# KiCad board V1.1_version_control.kicad_pcb (continued)
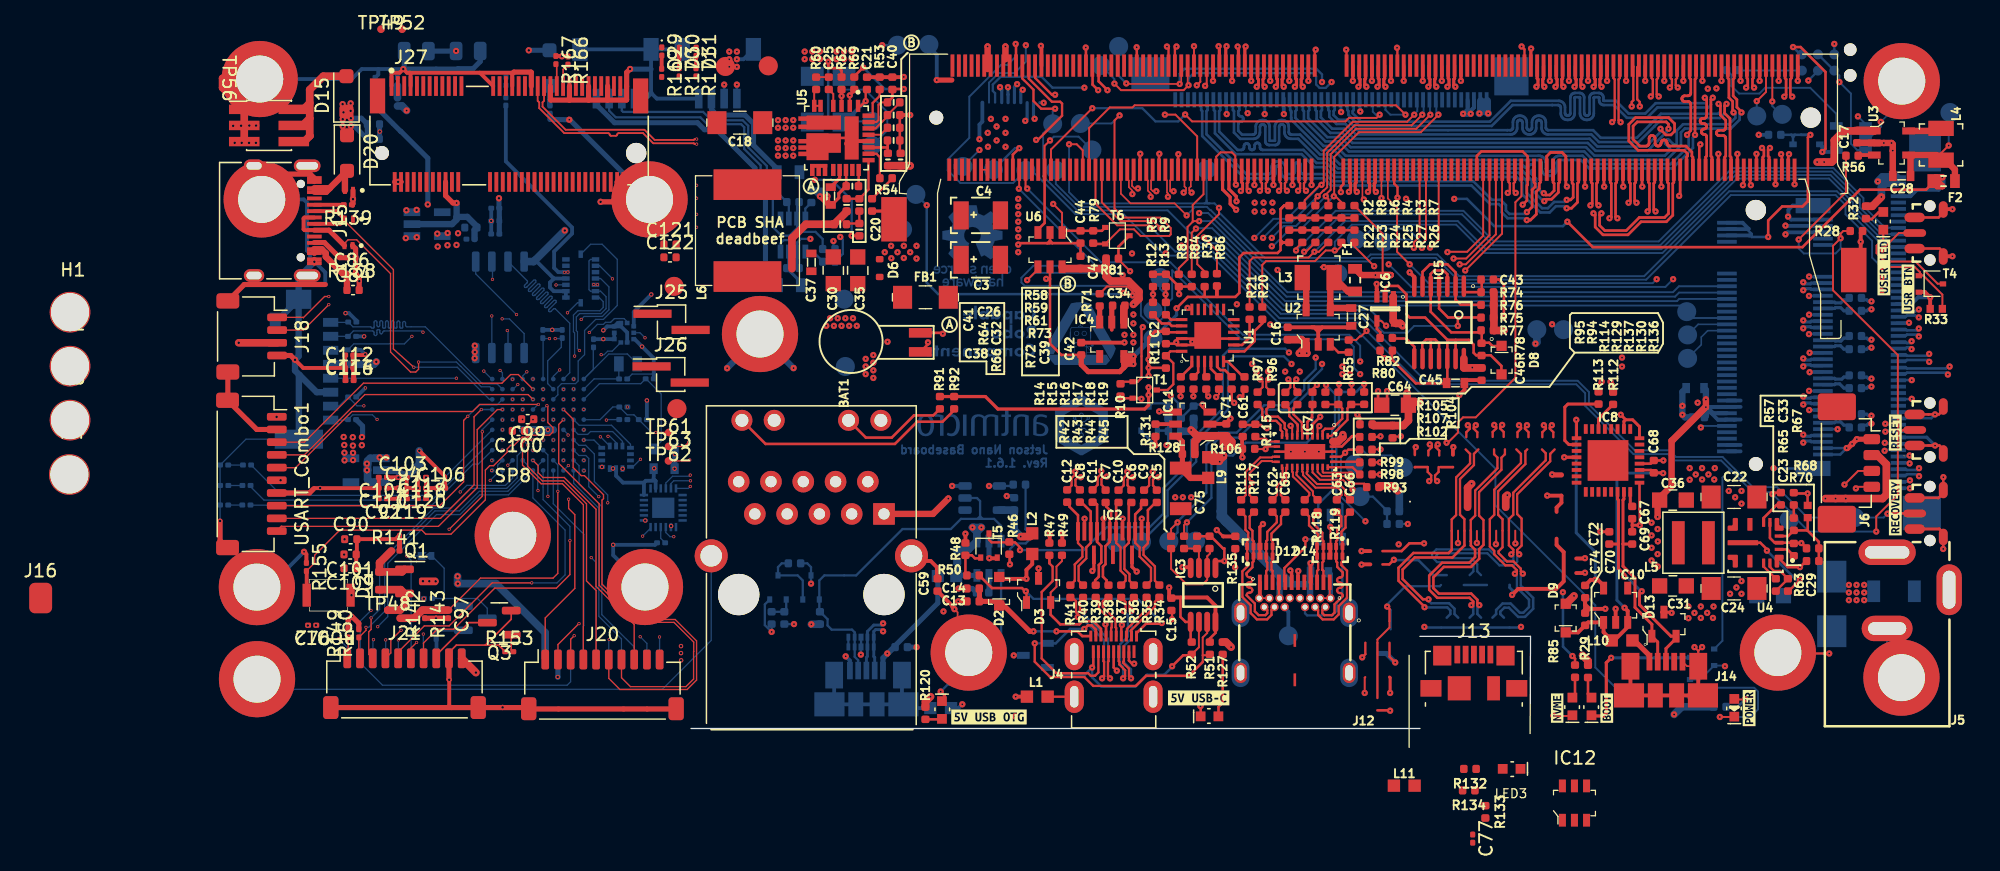
[diagram p0: board, top side]
## Routing (per net, layer and track width the routed paths; a pad name or vN(x,y) marks a point on that pad's centre or on a via; arc(x,y) is an arc through that point) (continued)
unconnected-(M1E-DP0_TXD2_N-Pad51): length 40.9
  Top w0.18: v1(65.77,25.37) 65.61,25.21 65.61,25.1 65.88,24.82 65.88,24.43 ; v1(74.64,50.48) 74.64,50.83 74.44,51.03 74.44,53.56 74.57,53.69
  In2.Cu w0.125: v1(65.77,25.37) 65.58,25.56 65.58,26.26 68.44,29.12 68.44,31.12 68.43,31.21 68.4,31.29 68.35,31.37 68.29,31.43 68.22,31.48 68.13,31.5 68.04,31.51 67.89,31.51 67.86,31.52 67.82,31.53 67.79,31.55 67.76,31.58 67.74,31.61 67.73,31.65 67.72,31.68 67.72,31.69 67.73,31.73 67.74,31.77 67.76,31.8 67.79,31.83 67.82,31.85 67.86,31.86 67.89,31.86 68.04,31.86 68.13,31.87 68.22,31.9 68.29,31.95 68.35,32.01 68.4,32.09 68.43,32.17 68.44,32.26 68.44,33.95 68.43,34.03 68.4,34.11 68.36,34.18 68.3,34.24 68.23,34.29 68.15,34.31 68.06,34.32 67.91,34.32 67.88,34.33 67.85,34.34 67.82,34.36 67.8,34.38 67.78,34.41 67.77,34.44 67.76,34.47 67.76,34.52 67.77,34.56 67.78,34.59 67.8,34.62 67.82,34.64 67.85,34.66 67.88,34.67 67.91,34.67 68.06,34.67 68.15,34.68 68.23,34.71 68.3,34.76 68.36,34.82 68.4,34.89 68.43,34.97 68.44,35.05 68.44,35.15 68.43,35.23 68.4,35.31 68.36,35.38 68.3,35.44 68.23,35.49 68.15,35.51 68.06,35.52 67.91,35.52 67.88,35.53 67.85,35.54 67.82,35.56 67.8,35.58 67.78,35.61 67.77,35.64 67.76,35.67 67.76,35.72 67.77,35.76 67.78,35.79 67.8,35.82 67.82,35.84 67.85,35.86 67.88,35.87 67.91,35.87 68.06,35.87 68.15,35.88 68.23,35.91 68.3,35.96 68.36,36.02 68.4,36.09 68.43,36.17 68.44,36.25 68.44,36.35 68.43,36.43 68.4,36.51 68.36,36.58 68.3,36.64 68.23,36.69 68.15,36.71 68.06,36.72 67.91,36.72 67.88,36.73 67.85,36.74 67.82,36.76 67.8,36.78 67.78,36.81 67.77,36.84 67.76,36.87 67.76,36.92 67.77,36.96 67.78,36.99 67.8,37.02 67.82,37.04 67.85,37.06 67.88,37.07 67.91,37.07 68.06,37.07 68.15,37.08 68.23,37.11 68.3,37.16 68.36,37.22 68.4,37.29 68.43,37.37 68.44,37.45 68.44,37.55 68.43,37.63 68.4,37.71 68.36,37.78 68.3,37.84 68.23,37.89 68.15,37.91 68.06,37.92 67.91,37.92 67.88,37.93 67.85,37.94 67.82,37.96 67.8,37.98 67.78,38.01 67.77,38.04 67.76,38.07 67.76,38.12 67.77,38.16 67.78,38.19 67.8,38.22 67.82,38.24 67.85,38.26 67.88,38.27 67.91,38.27 68.06,38.27 68.15,38.28 68.23,38.31 68.3,38.36 68.36,38.42 68.4,38.49 68.43,38.57 68.44,38.65 68.44,38.75 68.43,38.83 68.4,38.91 68.36,38.98 68.3,39.04 68.23,39.09 68.15,39.11 68.06,39.12 67.91,39.12 67.88,39.13 67.85,39.14 67.82,39.16 67.8,39.18 67.78,39.21 67.77,39.24 67.76,39.27 67.76,39.32 67.77,39.36 67.78,39.39 67.8,39.42 67.82,39.44 67.85,39.46 67.88,39.47 67.91,39.47 68.06,39.47 68.15,39.48 68.23,39.51 68.3,39.56 68.36,39.62 68.4,39.69 68.43,39.77 68.44,39.85 68.44,47.78 70.65,49.99 74.15,49.99 v1(74.64,50.48)
unconnected-(M1E-DP0_TXD2_P-Pad53): length 40.9
  Top w0.18: v1(65.14,25.37) 65.3,25.21 65.3,25.1 65.02,24.82 65.02,24.43 ; 74.07,53.69 74.13,53.63 74.13,50.96 74.01,50.83 v1(74.01,50.48)
  In2.Cu w0.125: v1(74.01,50.48) 74,50.47 73.7,50.47 73.47,50.24 73.28,50.24 73.25,50.24 73.23,50.25 73.2,50.26 73.18,50.28 73.17,50.31 73.16,50.33 73.16,50.36 73.16,50.41 73.15,50.44 73.14,50.47 73.13,50.49 73.11,50.51 73.09,50.52 73.06,50.53 73.03,50.54 73,50.53 72.98,50.52 72.95,50.51 72.93,50.49 72.92,50.47 72.91,50.44 72.91,50.41 72.91,50.36 72.9,50.33 72.89,50.31 72.88,50.28 72.86,50.26 72.84,50.25 72.81,50.24 72.78,50.24 70.54,50.24 68.19,47.88 68.19,39.87 68.19,39.84 68.17,39.81 68.16,39.78 68.13,39.76 68.1,39.74 68.07,39.73 68.04,39.72 67.89,39.72 67.81,39.71 67.73,39.69 67.66,39.64 67.6,39.58 67.55,39.51 67.52,39.43 67.51,39.35 67.51,39.25 67.52,39.17 67.55,39.09 67.6,39.02 67.66,38.96 67.73,38.91 67.81,38.88 67.89,38.87 68.04,38.87 68.07,38.87 68.1,38.86 68.13,38.84 68.16,38.82 68.17,38.79 68.19,38.76 68.19,38.72 68.19,38.67 68.19,38.64 68.17,38.61 68.16,38.58 68.13,38.56 68.1,38.54 68.07,38.53 68.04,38.52 67.89,38.52 67.81,38.51 67.73,38.49 67.66,38.44 67.6,38.38 67.55,38.31 67.52,38.23 67.51,38.15 67.51,38.05 67.52,37.97 67.55,37.89 67.6,37.82 67.66,37.76 67.73,37.71 67.81,37.68 67.89,37.67 68.04,37.67 68.07,37.67 68.1,37.66 68.13,37.64 68.16,37.62 68.17,37.59 68.19,37.56 68.19,37.52 68.19,37.47 68.19,37.44 68.17,37.41 68.16,37.38 68.13,37.36 68.1,37.34 68.07,37.33 68.04,37.32 67.89,37.32 67.81,37.31 67.73,37.29 67.66,37.24 67.6,37.18 67.55,37.11 67.52,37.03 67.51,36.95 67.51,36.85 67.52,36.77 67.55,36.69 67.6,36.62 67.66,36.56 67.73,36.51 67.81,36.48 67.89,36.47 68.04,36.47 68.07,36.47 68.1,36.46 68.13,36.44 68.16,36.42 68.17,36.39 68.19,36.36 68.19,36.32 68.19,36.27 68.19,36.24 68.17,36.21 68.16,36.18 68.13,36.16 68.1,36.14 68.07,36.13 68.04,36.12 67.89,36.12 67.81,36.11 67.73,36.09 67.66,36.04 67.6,35.98 67.55,35.91 67.52,35.83 67.51,35.75 67.51,35.65 67.52,35.57 67.55,35.49 67.6,35.42 67.66,35.36 67.73,35.31 67.81,35.28 67.89,35.27 68.04,35.27 68.07,35.27 68.1,35.26 68.13,35.24 68.16,35.22 68.17,35.19 68.19,35.16 68.19,35.12 68.19,35.07 68.19,35.04 68.17,35.01 68.16,34.98 68.13,34.96 68.1,34.94 68.07,34.93 68.04,34.92 67.89,34.92 67.81,34.91 67.73,34.89 67.66,34.84 67.6,34.78 67.55,34.71 67.52,34.63 67.51,34.55 67.51,34.45 67.52,34.37 67.55,34.29 67.6,34.22 67.66,34.16 67.73,34.11 67.81,34.08 67.89,34.07 68.04,34.07 68.07,34.07 68.1,34.06 68.13,34.04 68.16,34.02 68.17,33.99 68.19,33.96 68.19,33.92 68.19,32.28 68.19,32.25 68.17,32.21 68.15,32.18 68.13,32.15 68.09,32.13 68.06,32.12 68.02,32.11 67.87,32.11 67.78,32.1 67.7,32.08 67.62,32.03 67.56,31.97 67.51,31.89 67.48,31.81 67.47,31.72 67.47,31.66 67.48,31.57 67.51,31.49 67.56,31.41 67.62,31.35 67.7,31.3 67.78,31.27 67.87,31.26 68.02,31.26 68.06,31.26 68.09,31.25 68.13,31.23 68.15,31.2 68.17,31.17 68.19,31.13 68.19,31.09 68.19,29.22 65.33,26.36 65.33,25.56 v1(65.14,25.37)
unconnected-(M1E-DP0_TXD3_N-Pad57): length 40.9
  Top w0.18: M1.57 73.07,52.7 72.97,52.61 72.97,49.39 v1(73.13,49.23) ; v1(67.72,25.37) 67.56,25.21 67.56,25.1 67.84,24.82 67.84,24.43
  In2.Cu w0.125: v1(73.13,49.23) 73.12,49.23 72.69,48.8 72.32,48.8 72.32,48.8 72.28,48.8 72.1,48.98 71.35,48.98 69.79,47.42 69.79,38.78 69.8,38.74 69.81,38.7 69.83,38.67 69.86,38.64 69.89,38.62 69.93,38.61 69.97,38.6 70.3,38.6 70.39,38.59 70.47,38.56 70.55,38.51 70.61,38.45 70.66,38.37 70.69,38.29 70.7,38.2 70.7,38.15 70.69,38.06 70.66,37.98 70.61,37.9 70.55,37.84 70.47,37.79 70.39,37.76 70.3,37.75 69.97,37.75 69.93,37.75 69.89,37.73 69.86,37.71 69.83,37.69 69.81,37.65 69.8,37.62 69.79,37.58 69.8,37.54 69.81,37.5 69.83,37.47 69.86,37.44 69.89,37.42 69.93,37.41 69.97,37.4 70.3,37.4 70.39,37.39 70.47,37.36 70.55,37.31 70.61,37.25 70.66,37.17 70.69,37.09 70.7,37 70.7,36.95 70.69,36.86 70.66,36.78 70.61,36.7 70.55,36.64 70.47,36.59 70.39,36.56 70.3,36.55 69.97,36.55 69.93,36.55 69.89,36.53 69.86,36.51 69.83,36.49 69.81,36.45 69.8,36.42 69.79,36.38 69.8,36.34 69.81,36.3 69.83,36.27 69.86,36.24 69.89,36.22 69.93,36.21 69.97,36.2 70.3,36.2 70.39,36.19 70.47,36.16 70.55,36.11 70.61,36.05 70.66,35.97 70.69,35.89 70.7,35.8 70.7,35.75 70.69,35.66 70.66,35.58 70.61,35.5 70.55,35.44 70.47,35.39 70.39,35.36 70.3,35.35 69.97,35.35 69.93,35.35 69.89,35.33 69.86,35.31 69.83,35.29 69.81,35.25 69.8,35.22 69.79,35.18 69.8,35.14 69.81,35.1 69.83,35.07 69.86,35.04 69.89,35.02 69.93,35.01 69.97,35 70.3,35 70.39,34.99 70.47,34.96 70.55,34.91 70.61,34.85 70.66,34.77 70.69,34.69 70.7,34.6 70.7,34.55 70.69,34.46 70.66,34.38 70.61,34.3 70.55,34.24 70.47,34.19 70.39,34.16 70.3,34.15 69.97,34.15 69.93,34.15 69.89,34.13 69.86,34.11 69.83,34.09 69.81,34.05 69.8,34.02 69.79,33.98 69.8,33.94 69.81,33.9 69.83,33.87 69.86,33.84 69.89,33.82 69.93,33.81 69.97,33.8 70.3,33.8 70.39,33.79 70.47,33.76 70.55,33.71 70.61,33.65 70.66,33.57 70.69,33.49 70.7,33.4 70.7,33.35 70.69,33.26 70.66,33.18 70.61,33.1 70.55,33.04 70.47,32.99 70.39,32.96 70.3,32.95 69.97,32.95 69.93,32.95 69.89,32.93 69.86,32.91 69.83,32.89 69.81,32.85 69.8,32.82 69.79,32.78 69.8,32.74 69.81,32.7 69.83,32.67 69.86,32.64 69.89,32.62 69.93,32.61 69.97,32.6 70.3,32.6 70.39,32.59 70.47,32.56 70.55,32.51 70.61,32.45 70.66,32.37 70.69,32.29 70.7,32.2 70.7,32.15 70.69,32.06 70.66,31.98 70.61,31.9 70.55,31.84 70.47,31.79 70.39,31.76 70.3,31.75 69.97,31.75 69.93,31.75 69.89,31.73 69.86,31.71 69.83,31.69 69.81,31.65 69.8,31.62 69.79,31.58 69.79,28.77 67.53,26.51 67.53,25.56 v1(67.72,25.37)
unconnected-(M1E-DP0_TXD3_P-Pad59): length 40.9
  Top w0.18: v1(72.46,49.24) 72.5,49.24 72.51,49.23 72.67,49.39 72.67,52.61 72.57,52.7 72.57,53.69 ; v1(67.09,25.37) 67.25,25.21 67.25,25.1 66.97,24.82 66.97,24.43
  In2.Cu w0.125: v1(72.46,49.24) 72.5,49.24 72.51,49.23 71.9,49.23 71.87,49.24 71.84,49.25 71.81,49.27 71.79,49.29 71.77,49.32 71.76,49.35 71.75,49.38 71.75,49.4 71.75,49.43 71.74,49.46 71.72,49.49 71.7,49.52 71.67,49.53 71.64,49.55 71.6,49.55 71.57,49.55 71.54,49.53 71.51,49.52 71.49,49.49 71.47,49.46 71.46,49.43 71.45,49.4 71.45,49.38 71.45,49.35 71.44,49.32 71.42,49.29 71.4,49.27 71.37,49.25 71.34,49.24 71.3,49.23 71.24,49.23 69.54,47.54 69.54,38.75 69.55,38.66 69.58,38.58 69.63,38.5 69.69,38.44 69.77,38.39 69.85,38.36 69.94,38.35 70.27,38.35 70.31,38.35 70.35,38.33 70.38,38.31 70.41,38.29 70.43,38.25 70.44,38.22 70.45,38.18 70.44,38.14 70.43,38.1 70.41,38.07 70.38,38.04 70.35,38.02 70.31,38.01 70.27,38 69.94,38 69.85,37.99 69.77,37.96 69.69,37.91 69.63,37.85 69.58,37.77 69.55,37.69 69.54,37.6 69.54,37.55 69.55,37.46 69.58,37.38 69.63,37.3 69.69,37.24 69.77,37.19 69.85,37.16 69.94,37.15 70.27,37.15 70.31,37.15 70.35,37.13 70.38,37.11 70.41,37.09 70.43,37.05 70.44,37.02 70.45,36.98 70.44,36.94 70.43,36.9 70.41,36.87 70.38,36.84 70.35,36.82 70.31,36.81 70.27,36.8 69.94,36.8 69.85,36.79 69.77,36.76 69.69,36.71 69.63,36.65 69.58,36.57 69.55,36.49 69.54,36.4 69.54,36.35 69.55,36.26 69.58,36.18 69.63,36.1 69.69,36.04 69.77,35.99 69.85,35.96 69.94,35.95 70.27,35.95 70.31,35.95 70.35,35.93 70.38,35.91 70.41,35.89 70.43,35.85 70.44,35.82 70.45,35.78 70.44,35.74 70.43,35.7 70.41,35.67 70.38,35.64 70.35,35.62 70.31,35.61 70.27,35.6 69.94,35.6 69.85,35.59 69.77,35.56 69.69,35.51 69.63,35.45 69.58,35.37 69.55,35.29 69.54,35.2 69.54,35.15 69.55,35.06 69.58,34.98 69.63,34.9 69.69,34.84 69.77,34.79 69.85,34.76 69.94,34.75 70.27,34.75 70.31,34.75 70.35,34.73 70.38,34.71 70.41,34.69 70.43,34.65 70.44,34.62 70.45,34.58 70.44,34.54 70.43,34.5 70.41,34.47 70.38,34.44 70.35,34.42 70.31,34.41 70.27,34.4 69.94,34.4 69.85,34.39 69.77,34.36 69.69,34.31 69.63,34.25 69.58,34.17 69.55,34.09 69.54,34 69.54,33.95 69.55,33.86 69.58,33.78 69.63,33.7 69.69,33.64 69.77,33.59 69.85,33.56 69.94,33.55 70.27,33.55 70.31,33.55 70.35,33.53 70.38,33.51 70.41,33.49 70.43,33.45 70.44,33.42 70.45,33.38 70.44,33.34 70.43,33.3 70.41,33.27 70.38,33.24 70.35,33.22 70.31,33.21 70.27,33.2 69.94,33.2 69.85,33.19 69.77,33.16 69.69,33.11 69.63,33.05 69.58,32.97 69.55,32.89 69.54,32.8 69.54,32.75 69.55,32.66 69.58,32.58 69.63,32.5 69.69,32.44 69.77,32.39 69.85,32.36 69.94,32.35 70.27,32.35 70.31,32.35 70.35,32.33 70.38,32.31 70.41,32.29 70.43,32.25 70.44,32.22 70.45,32.18 70.44,32.14 70.43,32.1 70.41,32.07 70.38,32.04 70.35,32.02 70.31,32.01 70.27,32 69.94,32 69.85,31.99 69.77,31.96 69.69,31.91 69.63,31.85 69.58,31.77 69.55,31.69 69.54,31.6 69.54,28.87 67.28,26.61 67.28,25.56 v1(67.09,25.37)
unconnected-(U24-INT2/FSYNC/CLKIN-Pad9): length 0
  Bottom w0.1: -7.2,22.65 -7.21,22.66

## Copper pours and planes (outline as drawn; the poured copper is in the pictures)
3V3_SYS on Top: 76.94,18 78.44,18 78.44,14.2 77.04,14.2 77.04,11.7 75.24,11.7 75.24,20.2 76.94,20.2
3V3_SYS on Bottom: 84.5,40.27 84.5,23.1 82.44,23.1 82.5,41.47 83,41.47
3V3_SYS on Bottom: 77.04,13.85 75.24,13.85 75.24,19.75 77.04,19.75
3V3_SYS on Bottom: 14.74,37.8 18.14,37.8 18.14,29.9 35.14,29.9 35.14,30.9 36.34,30.9 36.34,27.4 33.54,27.4 32.84,28.1 14.94,28.1 14.94,31.4 14.14,32.2 14.14,36.6 10.14,36.6 9.34,35.8 8.14,35.8 8.14,37 9.14,37 9.74,37.6 12.64,37.6 12.64,44.5 8.14,44.5 8.14,46 14.74,46
3V3_SYS on In5_3V3_SYS_SIGNAL.Cu: 76.74,13.8 76.74,21.5 73.54,24.7 59.24,24.7 56.84,27.09 41.7,27.09 39.34,29.43 39.34,35.73 38.8,36.27 35.64,36.27 35.34,36 35.34,25.5 38.79,22.05 38.81,15.27 39.79,14.27 42.06,14.27 43.1,15.28 43.1,16.35 45.11,18.36 69.94,18.4 74.54,13.8
5V0_SYS on Top: 10.89,37.15 17.44,37.15 17.44,34.5 14.64,34.5 14.64,28.8 8.74,28.8 8.74,35.7 1.74,35.8 1.74,38.3 9.74,38.3
5V0_SYS on Top: 35.1,32.99 33.8,32.99 33.8,35.19 35.1,35.19
5V0_SYS on Top: -2.89,8.09 -2.91,5.74 -1.49,5.75 -1.5,6.47 -0.19,6.46 -0.19,8.31 -2.89,8.3
5V0_SYS on Bottom: 10.95,28.76 14.64,28.76 14.64,31.22 10.95,31.22
5V0_SYS on In1.Cu: 63.46,51.89 88.84,51.8 88.84,47.7 90.67,45.9 90.67,45.08 90.68,45.04 90.69,45 90.72,44.97 90.75,44.95 90.79,44.93 90.83,44.93 93.89,44.93 94.03,44.79 94.03,43.11 93.89,42.97 90.83,42.97 90.79,42.96 90.75,42.95 90.72,42.92 90.69,42.89 90.68,42.85 90.67,42.82 90.68,42.8 90.68,21.33 90.68,21.29 90.7,21.25 90.72,21.22 91.29,20.66 91.29,19.06 89.09,16.87 89.07,16.84 89.05,16.8 89.05,16.76 89.05,2 66.66,2 66.66,8.89 66.65,8.98 66.62,9.08 66.57,9.17 66.51,9.25 66.43,9.31 66.34,9.36 66.25,9.39 66.15,9.4 64.79,9.4 64.79,9.39 58.59,9.39 58.59,9.4 57.26,9.4 57.16,9.39 57.06,9.36 56.97,9.31 56.9,9.25 56.83,9.17 56.79,9.08 56.76,8.98 56.75,8.89 56.75,2 0.51,2 0.51,47.4 8.54,47.4 8.54,32.6 14.94,32.6 14.94,51.89
5V0_SYS on In1.Cu: 0.53,11.04 -29.47,11.16 -29.41,50.86 -39.16,50.73 -39.03,2.02 0.51,2
/Supply/3V3_SW on Top: 80.64,17.4 81.64,16.4 84.04,16.4 84.04,15.8 81.64,15.8 80.64,14.8 80.64,14.3 79.44,14.3 79.44,17.9 80.64,17.9
/Supply/3V3_VIN on Top: 81.34,12.8 82.24,13.7 83.04,13.7 83.04,15.2 83.54,15.2 83.54,13.7 84.64,13.7 84.64,10.9 81.34,10.9
/Supply/3V3_VIN on Top: 84.64,18.5 83.54,18.5 83.54,17 83.04,17 83.04,18.5 82.24,18.5 81.34,19.4 81.34,20.7 84.64,20.7
/Supply/3V3_VIN on Bottom: 84.64,10.9 81.39,10.9 81.39,13.7 84.64,13.7
/Supply/3V3_VIN on In5_3V3_SYS_SIGNAL.Cu: 83.04,11.8 81.34,11.8 81.34,20.5 83.04,20.5
/Supply/5V_SW on Top: 10.74,45 8.04,43.1 1.74,43.1 1.74,46 10.74,46
/Supply/5V_VIN on Top: 9.24,49.75 11.79,49.75 11.79,48.65 9.07,48.65 8.72,48.3 4.89,48.3 4.89,50.1 8.89,50.1
/Supply/5V_VIN on Bottom: 12.94,48.5 6.54,48.5 6.54,49.75 6.94,50 12.94,50
GND on Top: 2.94,50.1 1.14,50.1 1.14,47.05 2.94,47.05
GND on Top: 13.19,46.3 10.94,46.3 10.89,46.25 6.54,46.25 6.54,48.15 8.89,48.15 9.09,48.35 11.94,48.35 12.09,48.5 12.09,49.7 13.19,49.7
GND on Top: 18.19,37.95 10.44,37.95 9.84,38.55 9.04,38.55 9.04,39.25 14.94,39.25 14.94,43.35 18.19,43.35
GND on Top: 49.74,31.2 51.04,30.3 52.14,30.3 52.14,29.1 49.94,29.1 49.94,30 48.94,30.9 48.94,32.4 49.74,32.4
GND on Top: 80.14,13.8 81.54,15.2 82.44,15.2 82.44,14.2 81.04,12.8 81.04,9.8 77.64,9.8 77.64,13.8
GND on Top: 81.04,19.4 82.44,18 82.44,17 81.44,17 79.94,18.7 77.64,18.7 77.64,22.4 81.04,22.4
GND on Top: 33.5,32.79 35.1,32.79 35.1,31.49 32.7,31.49 32.7,34.09 33.5,34.09
GND on Top: 25.23,54.57 22.94,54.57 22.94,46.5 22.64,46.5 22.64,44.3 23.64,44.3 23.64,37.3 26.04,37.3 26.04,43.6 24.94,43.6 24.94,46.7 25.24,47
GND on Top: 39.64,18.25 37.64,18.25 37.64,20 39.64,20
GND on Bottom: 10.44,52.1 8.64,52.1 8.64,55.15 10.44,55.15
GND on Bottom: -9.39,50.09 -9.39,55.89 5.61,55.89 5.61,50.09
GND on Bottom: 80.84,19.2 77.79,19.2 77.79,22.3 80.84,22.3
GND on Bottom: 100.24,7.4 88.44,7.4 88.44,10.7 97.74,10.7 97.74,14.7 100.24,14.7
GND on Bottom: 18.19,37.95 14.94,37.95 14.94,41.8 18.19,41.8
GND on In3_SIGNAL.Cu: 59.04,49.6 40.34,49.6 40.34,53.8 59.04,53.8
GND on In3_SIGNAL.Cu: 46.14,31.4 47.54,30 49.34,30 49.34,11.6 46.34,11.6 42.44,15.5 42.44,26.3 38.74,30 38.74,42.1 39.74,43.1 39.74,45.5 39.94,45.7 46.14,45.7
GND on In4_GND.Cu: 100.22,2 66.66,2 66.66,8.89 66.65,8.98 66.62,9.08 66.57,9.17 66.51,9.25 66.43,9.31 66.34,9.36 66.25,9.39 66.15,9.4 64.79,9.4 64.79,9.99 58.59,9.99 58.59,9.4 57.26,9.4 57.16,9.39 57.06,9.36 56.97,9.31 56.9,9.25 56.83,9.17 56.79,9.08 56.76,8.98 56.75,8.89 56.75,2 39.02,2 39.02,9.24 39.01,9.34 39,10.09 38.8,10.29 38.75,10.29 28.05,10.24 28.02,12.39 28.01,12.44 27.98,12.48 27.94,12.51 27.89,12.52 25.99,12.52 25.94,12.51 25.9,12.48 25.88,12.44 25.87,12.39 25.87,2 18.78,2 19.4,2.62 19.42,2.65 19.43,2.69 19.43,26.52 19.44,26.54 19.45,26.59 19.44,26.64 19.42,26.68 19.37,26.71 19.33,26.72 0.51,26.72 0.51,55.98 100.22,55.98
GND on In6_GND.Cu: 100.24,2 66.68,2 66.68,8.89 66.67,8.98 66.64,9.08 66.59,9.17 66.53,9.25 66.45,9.31 66.36,9.36 66.27,9.39 66.17,9.4 64.81,9.4 64.81,9.99 58.61,9.99 58.61,9.4 57.28,9.4 57.18,9.39 57.08,9.36 56.99,9.31 56.92,9.25 56.85,9.17 56.8,9.08 56.78,8.98 56.77,8.89 56.77,2 39.04,2 39.04,9.29 39.03,9.34 39,9.38 38.8,9.58 38.76,9.61 38.71,9.62 28.04,9.62 28.04,12.39 28.03,12.44 28,12.48 27.96,12.51 27.91,12.52 26.01,12.52 25.96,12.51 25.92,12.48 25.9,12.44 25.89,12.39 25.89,2 6.14,2 6.04,13.1 19.74,13.1 19.74,27.12 0.53,27.12 0.53,55.98 100.24,55.98
GND on In6_GND.Cu: 0.53,55.98 -39.21,55.92 -39.37,1.91 -0.09,2.09 -0.11,27.12 0.53,27.12
VDD_MOD on Top: 22.44,34.45 19.39,34.45 19.39,36.6 20.24,36.6 20.24,54.7 22.74,54.7 22.74,52.8 22.44,52.8
VIN on Bottom: 12.94,52.1 11.14,52.1 11.14,55.15 12.94,55.15
VIN on Bottom: 10.38,32.82 13.8,32.82 13.8,36.33 10.38,36.33
VIN on Bottom: 90.79,13.2 93.64,13.2 93.64,11.2 85.19,11.2 85.19,12.8 88.69,12.8 88.69,14.7 90.79,14.7
VIN on In1.Cu: 100.22,2 89.35,2 89.35,16.7 91.54,18.89 91.57,18.93 91.58,18.96 91.59,19 91.59,20.72 91.58,20.76 91.57,20.79 91.54,20.82 90.98,21.39 90.98,42.66 93.95,42.66 93.99,42.67 94.03,42.68 94.06,42.71 94.29,42.94 94.31,42.97 94.33,43.01 94.33,43.04 94.33,44.85 94.33,44.89 94.31,44.92 94.29,44.96 94.06,45.18 94.03,45.21 93.99,45.22 93.95,45.23 90.98,45.23 90.98,45.97 90.97,46.01 90.96,46.04 90.93,46.07 89.21,47.79 89.18,47.82 89.15,47.83 89.11,52.1 63.61,51.99 63.07,52.01 60.98,52.01 60.42,52.04 14.54,52.3 14.54,33 8.94,33 8.94,47.64 8.93,47.68 8.92,47.72 8.89,47.75 8.86,47.77 8.82,47.79 8.79,47.79 0.51,47.79 0.51,55.98 100.22,55.98
VIN on In1.Cu: -21.46,13.63 -21.48,12.5 -17.57,12.5 -17.58,13.83 -21.46,13.83
VIN on In1.Cu: 0.51,55.98 -19.39,55.85 -19.57,11.48 -0.24,11.69 -0.25,47.78 0.51,47.79
(no net) on In4_GND.Cu: 58.59,8.49 64.79,8.49 64.79,9.99 58.59,9.99
(no net) on In4_GND.Cu: 60.39,12.39 63.79,12.39 63.79,13.19 60.39,13.19
Core_3V3 on Bottom: -27.57,24.86 -27.55,22.14 -25.55,22.14 -25.52,24.87
Core_3V3 on In5_3V3_SYS_SIGNAL.Cu: -27.82,9.94 -25.59,9.97 -25.6,18.38 -16.83,18.39 -4.65,18.33 -4.62,16.64 -0.26,16.59 -0.26,21.56 -0.95,21.56 -1.01,31.57 -4.56,31.68 -4.73,38.62 -12.28,38.73 -12.3,29.87 -16.03,29.8 -16,28.34 -25.32,28.45 -25.4,34.94 -27.75,34.93 -27.8,12.67
Core_3V3 on In5_3V3_SYS_SIGNAL.Cu: -27.79,12.1 -20.59,12.09 -20.59,11.22 -27.82,11.23 -27.81,12.1
EGND on In4_GND.Cu: 19.22,2.73 18.49,2 0.51,2 0.51,26.46 19.22,26.46
EGND on In6_GND.Cu: 19.22,13.6 5.74,13.6 5.74,2 0.51,2 0.51,26.46 19.22,26.46
HDMI_SHIELD on In4_GND.Cu: 27.8,10.09 27.9,9.99 38.8,9.99 38.77,9.24 38.77,2 26.12,2 26.12,12.26 27.8,12.26
HDMI_SHIELD on In6_GND.Cu: 27.77,9.49 27.78,9.44 27.8,9.4 27.84,9.37 27.89,9.36 38.64,9.36 38.77,9.24 38.77,2 26.12,2 26.12,12.26 27.77,12.26
Periph_3V3 on Bottom: -20.59,41.16 -17.47,41.17 -17.47,38.99 -20.59,38.99
Periph_3V3 on In5_3V3_SYS_SIGNAL.Cu: -20.97,43.59 -20.94,32.17 -23.13,32.11 -23.13,29.2 -16.64,29.14 -16.58,31.12 -13.94,31.15 -13.97,43.67
System_4V5 on Top: -29.37,51.76 -29.4,47.12 -25.8,47.12 -25.76,51.74
System_4V5 on In1.Cu: -28.73,53.67 -28.84,21.64 -20.39,21.53 -20.28,53.62 -28.74,53.67
Net-(F3-Pad1) on Bottom: 96.94,11.25 94.29,11.25 94.29,13.85 91.69,13.85 91.69,16.5 96.94,16.5

## Text on the board
Bottom: Jetson Nano Baseboard / Rev. 1.6.1
B.Mask: Jetson Nano Baseboard / Rev. 1.6.1
B.Silkscreen: 1
User.Drawings: Recommended PCB finish: | Gold plating (ENIG, selective) | Solder mask: matt black | Silkscreen: white | The design includes high speed signaling | Suggested prepreg material is ISOLA PR2116 | Layer | 1 | 2 | 3 | 4 | 5 | 6 | 7 | 8 | 9 | 10 | 11 | 12 | 13 | 14 | 15 | 16 | 17 | Name | Top Solder | Top Layer | Dielectric 1 | Signal 1 | Dielectric 2 | Signal 2 | Dielectric 3 | Signal 3 | Dielectric 4 | Signal 4 | Dielectric 5 | Signal 5 | Dielectric 6 | Signal 6 | Dielectric 7 | Bottom Layer | Bottom Solder | Material | Solder Resist | Copper | Prepreg | FR-4 | Thickness | 0.02  mm | 0.018 mm | 0.12  mm | 0.035 mm | 0.2   mm | 0.24  mm | Constant | 3.5 | 4.2 | Recommended PCB stackup
F.Silkscreen: A | B | PCB SHA / deadbeef
